# Altium PCB Cueing-PCB-Mk2.PcbDoc (continued)
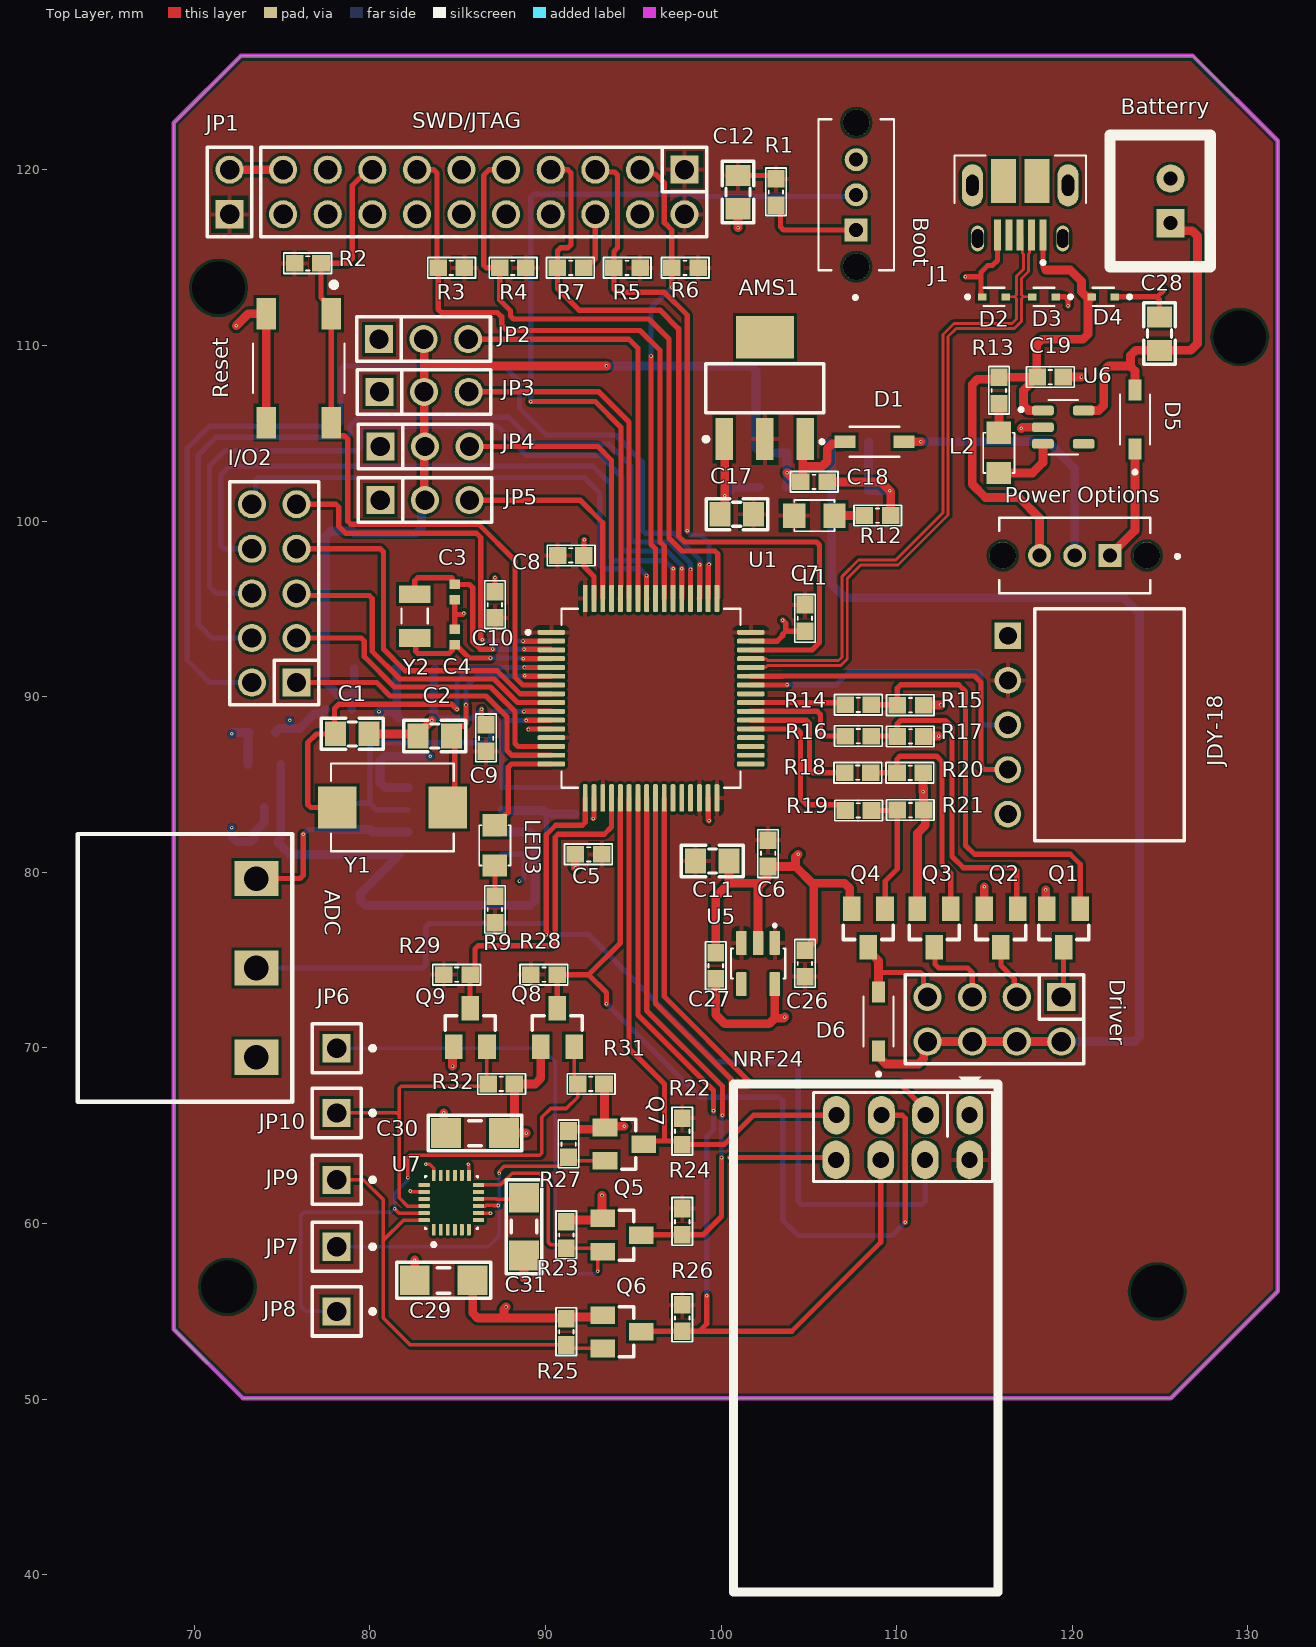
[diagram p0: Top Layer view]
## Footprints (in the part's own frame and the unit in brackets; to place one, negate y for a bottom-side part, rotate by r counter-clockwise, add the part's x,y. Pads: shape width x height; smd on the part's side, far side on the other; paste and mask are expansions set on the pad) (continued)
  rrect50% 0.28x1.56 smd: 17(-3.75,-5.68) 18(-3.25,-5.68) 19(-2.75,-5.68) 20(-2.25,-5.68) 21(-1.75,-5.68) 22(-1.25,-5.68) 23(-0.75,-5.68) 24(-0.25,-5.68) 25(0.25,-5.68) 26(0.75,-5.68) 27(1.25,-5.68) 28(1.75,-5.68) 29(2.25,-5.68) 30(2.75,-5.68) 31(3.25,-5.68) 32(3.75,-5.68) 49(3.75,5.68) 50(3.25,5.68) 51(2.75,5.68) 52(2.25,5.68) 53(1.75,5.68) 54(1.25,5.68) 55(0.75,5.68) 56(0.25,5.68) 57(-0.25,5.68) 58(-0.75,5.68) 59(-1.25,5.68) 60(-1.75,5.68) 61(-2.25,5.68) 62(-2.75,5.68) 63(-3.25,5.68) 64(-3.75,5.68)
  silkscreen extent -7.1,-5.1 5.1,5.1
SOD3715X145N [mm]
  rect 1.21x0.73 smd: A(1.68,0) C(-1.68,0)
  silkscreen extent -3.1,-0.85 1.43,0.85, body extent -1.83,-0.77 1.83,0.77, height 0.8
SOIC127P599X175-8N [mm]
  rrect25% 1.58x0.6 smd: 1(-2.67,1.905) 2(-2.67,0.635) 3(-2.67,-0.635) 4(-2.67,-1.905) 5(2.67,-1.905) 6(2.67,-0.635) 7(2.67,0.635) 8(2.67,1.905)
  silkscreen extent -4.35,-2.52 1.99,2.6, body extent -3,-2.45 3,2.45, height 1.75
SOT23 [mm]
  rect 1x1.4 smd: 1(-0.95,-1.1) 2(0.95,-1.1) 3(0,1.1)
  silkscreen extent -1.42,-0.15 1.42,0.66, body extent -1.18,-1.46 1.18,1.46, height 1.25
SOT95P275X110-5N [mm]
  rrect50% 1.24x0.55 smd: 1(-1.16,0.95) 2(-1.16,0) 3(-1.16,-0.95) 4(1.16,-0.95) 5(1.16,0.95)
  silkscreen extent -2.5,-1.55 0.83,1.55
SOT95P280X100-5N [mil]
  rect 48x20 smd: 1(-48,37) 2(-48,0) 3(-48,-37) 4(48,-37) 5(48,37)
  silkscreen extent -16,-57 34,57, body extent -55,-57 55,57, height 39
SOT95P285X145-5N [mm]
  rrect15% 1.37x0.59 smd: 1(-1.175,0.95) 2(-1.175,0) 3(-1.175,-0.95) 4(1.175,-0.95) 5(1.175,0.95)
  silkscreen extent -2.23,-1.55 0.85,1.55, body extent -1.4,-1.5 1.4,1.5, height 1.4
SOT223 [mm]
  rect 1x2.4 smd: 1(-2.3,-2.9) 2(0,-2.9) 3(2.3,-2.9)
  rect 3.3x2.4 smd: 4(0,2.9)
  silkscreen extent -3.47,-3.02 3.35,1.4, body extent -3.25,-3.56 3.25,3.4, height 1.68
SW_OS102011MS2QN1 [mm]
  rect 1.308x1.308 hole 0.8: 1(-2,0)
  round 1.308 hole 0.8: 2(0,0) 3(2,0)
  round 1.5 hole 1.5 unplated: ""(-4.1,0) ""(4.1,0)
  silkscreen extent -5.95,-2.15 4.3,2.15, body extent -4.3,-2.15 4.3,2.15, height 4.4
SW_SKQGAFE010 [mm]
  rect 1.8x1.1 smd: 1(-3.1,1.85) 2(3.1,1.85) 3(-3.1,-1.85) 4(3.1,-1.85)
  silkscreen extent -4.9,-2.6 1.4,2.6
"tro smd 0603" [mm] "Chip Capacitor, 2-Leads, Body 1,60x0,80mm, IPC Medium Density"
  rect 1x0.95 smd mask+0.076: 1(-0.75,0) 2(0.75,0)
  silkscreen extent -1.35,-0.58 1.37,0.58, body extent -0.82,-0.42 0.82,0.43, height 0.44
"tu 0603" [mm] "Chip Capacitor, 2-Leads, Body 1,60x0,80mm, IPC Medium Density"
  rect 1x0.95 smd mask+0.076: 1(-0.75,0) 2(0.75,0)
  silkscreen extent -1.35,-0.58 1.37,0.58, body extent -0.8,-0.4 0.8,0.4, height 0.9
"tu 0805" [mm] "Compoment SMD 80x50mil"
  rect 1.2x1.4 smd: 1(-0.946,-0.003) 2(0.954,-0.003)
  silkscreen extent -1.75,-0.89 1.75,0.89, body extent -1.01,-0.64 1.01,0.63, height 0.61
"tu 1206" [mm]
  rect 1.7x1.7 smd: 1(-1.65,0) 2(1.65,0)
  silkscreen extent -2.67,-1.02 2.67,1.02, body extent -1.57,-0.8 1.63,0.8, height 0.94
TVS_LESD5D5.0CT1G [mm]
  rect 0.48x0.4 smd: 1(-0.66,0) 2(0.66,0)
  silkscreen extent -1.6,-0.52 0.6,0.52, body extent -0.8,-0.4 0.8,0.4, height 0.7
XH2.54M-2 [mm]
  rect 1.6x1.6 hole 0.8: 1(0,0)
  round 1.6 hole 0.8: 2(2.54,0)
  silkscreen extent -2.48,-2.26 5.02,3.46, body extent -2.48,-2.26 5.02,3.48, height 6.91
XTAL_CM7V-T1A-32.768KHZ-12.5PF-100PPM-TB-QC [mm]
  rect 1x1.8 smd: 1(-1.25,0) 2(1.25,0)
  silkscreen extent -0.43,-0.75 0.43,0.75, body extent -1.6,-0.75 1.6,0.75, height 0.65
XTAL_ECS-80-20-20A-TR [mm]
  rect 2.2x2.4 smd: 1(-3.15,0) 2(3.15,0)
  silkscreen extent -3.5,-2.5 3.5,2.5, body extent -3.5,-2.5 3.5,2.5, height 1.7

## Part data
ADC: "Cắm", Chung_Loai=Cắm, Don_Vi=Con, Ma_Hang=MH000760, Ten_Linh_Kien="CON 3 2EDG5.08-3P 5.08MM ( Xanh Cong)"
AMS1 AMS2 AMS3: library part "AMS1117 SMD", "Dán", Chung_Loai=Dán, Don_Vi=Con, Ma_Hang=MH000596
Batterry: library part "Header 2P 2.54 Duc Thang", "Cắm", Chung_Loai=Cắm, Don_Vi=Con, Ma_Hang=MH001283, Ten_Linh_Kien="Header 2P XH2.54-2P Đực Thẳng"
Boot "Power Options": "Switch Slide ON ON SPDT Top Slide 0.1A 12VDC 10000Cycles PC Pins Thru-Hole Bulk", Package=None, Availability=Unavailable, MF="{'manufacturer': u'C&K'}", MP=OS102011MS2QN1, Price=None
C1 C2: library part "Tu 0805 20pF 50V 10%", "Dán", Chung_Loai=Dán, Don_Vi=Con, Ma_Hang=MH004558, So_Chan=2, Ten_Linh_Kien="Tụ 0805 20P 10% 50V"
C3 C4: "0402 12 pF 50 V Â±5% Tolerance C0G SMT Multilayer Ceramic Capacitor", Package=None, Availability=Unavailable, MF="{'manufacturer': u'Murata'}", MP=GRM1555C1H120JA01D, Price=None
C5 C6 C7 C8 C9 C10: library part "Tu 0603 103 50V 10%", "Dán", Chung_Loai=Dán, Don_Vi=Con, Ma_Hang=MH004567, So_Chan=2, Ten_Linh_Kien="Tụ 0603 103-10nF 10% 50V"
C11 C12: library part "Tu 0805 225 25V 10%", "Dán", Chung_Loai=Dán, Don_Vi=Con, Ma_Hang=MH007483, So_Chan=2, Ten_Linh_Kien="Tụ 0805 225-2.2uF 25V 10%"
C13 C15: library part "Tu 0603 470pF 50V 10%", "Dán", Chung_Loai=Dán, Don_Vi=Con, Ma_Hang=MH004571, So_Chan=2, Ten_Linh_Kien="Tụ 0603 470P 50V 10%"
C17 C22 C24: library part "Tu 0805 224 50V 10%", "Dán", Chung_Loai=Dán, Don_Vi=Con, Ma_Hang=MH004559, So_Chan=2, Ten_Linh_Kien="Tụ 0805 224-0.22uF 10% 50V"
C18 C19 C23 C25: library part "Tu 0603 106 16V 20%", "Dán", Chung_Loai=Dán, Don_Vi=Con, Ma_Hang=MH004848, So_Chan=2, Ten_Linh_Kien="Tụ 0603-10uF 20% 16V"
C20 C21 C26 C27: library part "Tu 0603 105 16V 20%", "Dán", Chung_Loai=Dán, Don_Vi=Con, Ma_Hang=MH004574, So_Chan=2, Ten_Linh_Kien="Tụ 0603 105-1uF 20% 16V"
C28: library part "Tu 0805 10pF 50V 10%", "Dán", Chung_Loai=Dán, Don_Vi=Con, Ma_Hang=MH004554, So_Chan=2, Ten_Linh_Kien="Tụ 0805 10P 10% 50V"
C29 C30 C31: library part "Tu 1206 104 50V 20%", "Dán", Chung_Loai=Dán, Don_Vi=Con, Ma_Hang=MH004544, So_Chan=2, Ten_Linh_Kien="Tụ 1206 104-0.1uF 20% 50V"
D1 D5 D6: "1N5819HW Series 40 V 1 A Surface Mount Schottky Barrier Rectifier - SOD-123", Package=None, Availability=Unavailable, MF="{'manufacturer': u'Diodes Inc.'}", MP=1N5819HW-7-F, Price=None
D2 D3 D4 U2 U6 Y2: Package=None, Availability=Unavailable, Price=None
  D2 D3 D4: MF="{'manufacturer': u'Leshan Radio Co.'}", MP=LESD5D5.0CT1G
  U2: MF="{'manufacturer': u'Texas Instruments'}", MP=OPA2335AID
  U6: MF="{'manufacturer': u'Analog Devices'}", MP=MAX1555EZK+
  Y2: MF="{'manufacturer': u'Micro Crystal'}", MP=CM7V-T1A-32.768KHZ-12.5PF-100PPM-TB-QC
Driver: library part "JP 2x4 2.54 Duc Thang", "Cắm", Chung_Loai=Cắm, Don_Vi=Con, Ma_Hang=MH002686, Ten_Linh_Kien="Jump Đôi Đực 2.54MM 2x40P Thẳng 11MM"
I/O2: library part "JP 2x5 2.54 Duc Thang", "Cắm", Chung_Loai=Cắm, Don_Vi=Con, Ma_Hang=MH002686, Ten_Linh_Kien="Jump Đôi Đực 2.54MM 2x40P Thẳng 11MM"
J1: "USB - micro B USB 2.0 Receptacle Connector 5 Position Surface Mount, Right Angle; Through Hole", Package=None, Availability=Unavailable, MF="{'manufacturer': u'FCI Connectors'}", MP=10103594-0001LF, Price=None
JDY-18: library part "JP 1x5 2.54 Cai Cong", "Cắm", Chung_Loai=Cắm, Don_Vi=Con, Ma_Hang=MH001265, Ten_Linh_Kien="Jump Đơn Cái 2.54MM 1x40P Cong"
JP1: library part "JP 1x2 2.54 Duc Thang", "Cắm", Chung_Loai=Cắm, Don_Vi=Con, Ma_Hang=MH000903, Ten_Linh_Kien="Jump Đơn Đực 2.54MM 1x40P Thẳng 11MM"
JP2 JP3 JP4 JP5: library part "JP 1x3 2.54 Duc Thang", "Cắm", Chung_Loai=Cắm, Don_Vi=Con, Ma_Hang=MH000903, Ten_Linh_Kien="Jump Đơn Đực 2.54MM 1x40P Thẳng 11MM"
JP6 JP7 JP8 JP9 JP10: library part "JP 1x1 2.54 Duc Thang", "Cắm", Chung_Loai=Cắm, Don_Vi=Con, Ma_Hang=MH000903, Ten_Linh_Kien="Jump Đơn Đực 2.54MM 1x40P Thẳng 11MM"
L1: library part "LED 0805 Xanh La", "Dán", Chung_Loai=Dán, Don_Vi=Con, Ma_Hang=MH002326, Ten_Linh_Kien="LED 0805 Màu Xanh Lá (Green)"
L2: library part "LED 0805 Do", "Dán", Chung_Loai=Dán, Don_Vi=Con, Ma_Hang=MH000897, Ten_Linh_Kien="LED 0805 Màu Đỏ (Red)"
LED3: library part "LED 0805 Vang", "Dán", Chung_Loai=Dán, Don_Vi=Con, Ma_Hang=MH002329, Ten_Linh_Kien="LED 0805 Màu Vàng ( Yellow)"
Q1 Q2 Q3 Q4 Q5 Q6 Q7 Q8 Q9: "<b>N-Channel MOSFET</b>    <a href=\"https://pricing.snapeda.com/parts/SI2312/Micro%20Commercial%20Components/view-part?ref=eda\">Check availability</a> <a href=\"https://pricing.snapeda.com/parts/SI2312/Micro%20Commercial%20Components/view-part?ref=eda\">Check availability</a>", Package=None, Availability=Unavailable, MF="{'manufacturer': u'Micro Commercial Components'}", MP=SI2312-TP, Price=None
R1 R2 R3 R4 R5 R6 R7 R15 R17 R20 R21: library part "Tro 0603 1% 10k", "Dán", Chung_Loai=Dán, Don_Vi=Con, Ma_Hang=MH006333, So_Chan=2, Ten_Linh_Kien="Trở 0603 1% 10k"
R8 R10: library part "Tro 0603 1% 3.9k", "Dán", Chung_Loai=Dán, Don_Vi=Con, Ma_Hang=MH005793, So_Chan=2, Ten_Linh_Kien="Trở 0603 1% 3.9k"
R9 R13 R14 R16 R18 R19: library part "Tro 0603 1% 1k", "Dán", Chung_Loai=Dán, Don_Vi=Con, Ma_Hang=MH006334, So_Chan=2, Ten_Linh_Kien="Trở 0603 1% 1k"
R12: library part "Tro 0603 5% 1k", "Dán", Chung_Loai=Dán, Don_Vi=Con, Ma_Hang=MH006319, So_Chan=2, Ten_Linh_Kien="Trở 0603 5% 1k"
R22 R23 R24 R25 R26 R27 R28 R29 R31 R32: library part "Tro 0603 5% 2.2k", "Dán", Chung_Loai=Dán, Don_Vi=Con, Ma_Hang=MH006321, So_Chan=2, Ten_Linh_Kien="Trở 0603 5% 2.2k"
Reset: "Switch Tactile N.O. SPST Button Gull Wing 0.05A 12VDC 0.98N SMD T/R", Package=None, Availability=Unavailable, MF="{'manufacturer': u'ALPS'}", MP=SKQGAFE010, Price=None
SWD/JTAG: library part "JP 2x10 2.54 Duc Thang", "Cắm", Chung_Loai=Cắm, Don_Vi=Con, Ma_Hang=MH002686, Ten_Linh_Kien="Jump Đôi Đực 2.54MM 2x40P Thẳng 11MM"
U1: "MCU 32-Bit STM32 ARM Cortex M4 RISC 512KB Flash 2.5V/3.3V 64-Pin LQFP Tray", Package=None, Availability=Unavailable, MF="{'manufacturer': u'STMicroelectronics'}", MP=STM32F446RET6, Price=None
U4: "Micropower, 400mV Reference with Rail-to-Rail Buffer Amplifier", Package=None, Availability=Unavailable, MF="{'manufacturer': u'Analog Devices'}", MP=LT6650IS5#TRPBF, Price=None
U5: "LDO Regulator Pos 1.8V 0.3A 5-Pin SOT-25 T/R", Package=None, Availability=Unavailable, MF="{'manufacturer': u'Diodes Inc.'}", MP=AP7331-18WG-7, Price=None
U7: "Accelerometer, Gyroscope, Magnetometer, 9 Axis Sensor IÂ²C, SPI Output", Package=None, Availability=Unavailable, MF="{'manufacturer': u'TDK InvenSense'}", MP=ICM-20948, Price=None
Y1: "SMD CRYSTAL", Package=None, Availability=Unavailable, MF="{'manufacturer': u'ECS Inc.'}", MP=ECS-80-20-20A-TR, Price=None

## Free pads (board coordinates)
  round 1.524 hole 3: 6(124.841,56.134) 7(129.54,110.49) 9(71.882,56.388) 10(71.374,113.284)

## Via types
v1: diameter 0.2, hole 0.1, Top Layer to Bottom Layer, 85 vias

## Nets (pads, with @x,y where several pads share a name; then routed paths per layer and width w, separated by ;. In a path a pad name is that pad's centre, name@x,y a point inside that pad or via, vN(x,y) a via of type N, cw(c..) or ccw(c..) an arc to the next point about the centre after c; other vN are vias at no path point)
0.4V: C21.1 U2.3 U2.5 U4.1 U4.5 | length 31.1
  Bottom Layer w0.5: U4.5 U4.1 74.921,83.695 74.921,81.941 C21.1 74.748,81.743 74.973,81.518 74.973,81.493 75.455,81.011 81.661,81.011 79.462,78.812 79.462,78.398 79.755,78.105 89.115,78.105 89.408,78.398 89.408,82.003 89.115,82.296 U2.3
+1.8V: C27.1 C29.1 C30.1 Q5.1 Q6.1 Q7.1 Q8.1 Q9.1 R23.2 R25.2 R27.2 R31.2 R32.2 U5.5 U7.8 U7.13 | length 38.1
  Top Layer w0.2: v1(85.598,63.373) 85.636,63.335 U7.13 ; U7.8 86.195,60.579 v1(86.868,60.579)
  Top Layer w0.5: v1(84.709,68.961) 84.709,70.005 Q9.1 ; C29.1 85.852,54.903 86.145,54.61 87.63,54.61 ; v1(87.757,55.245) 87.63,55.118 87.63,54.61 ; v1(88.9,65.151) C30.1 88.229,65.751 88.229,66.716 88.233,66.72 R32.2 89.408,67.945 89.728,68.265 Q8.1 ; R23.2 91.283,60.19 93.16,60.19 Q5.1 93.472,60.502 93.218,60.756 v1(93.218,61.595) ; R27.2 91.413,65.366 93.288,65.366 Q7.1 ; Q6.1 93.159,54.68 91.284,54.68 R25.2 91.154,54.61 87.63,54.61 ; R31.2 93.361,67.917 93.361,65.493 Q7.1 ; v1(94.488,65.532) 93.454,65.532 Q7.1 ; C27.1 99.695,71.882 100.203,71.374 102.743,71.374 103.058,71.689 ; U5.5 103.058,71.689 ; v1(103.632,71.755) 103.566,71.689 103.058,71.689
+3.3V_STM32: AMS1.2 C5.1 C6.1 C7.1 C8.1 C9.1 C10.1 C11.1 C12.1 C17.1 C26.1 JDY-18.2 JP1.1 L1.1 NRF24.2 R1.2 R2.2 R3.2 R4.2 R5.2 R6.2 R9.2 R22.2 R24.2 R26.2 R28.2 R29.2 SWD/JTAG.1 SWD/JTAG.20 U1.1 U1.13 U1.19 U1.30 U1.32 U1.48 U1.64 U5.1 U5.3 | length 2.2
  Top Layer w0.3: C12.1 102.928,119.691 R1.2
+5V: AMS1.3 AMS2.3 AMS3.3 C18.1 C23.1 C25.1 D1.C JP2.2 JP3.2 JP4.2 JP5.2 | length 63.1
  Top Layer w0.5: JP2.2 83.096,110.325 83.096,108.839 ; JP5.2 83.096,101.232 83.096,108.839 ; v1(93.472,108.839) 83.096,108.839 ; v1(103.759,102.753) 104.052,102.46 104.32,102.46 C18.1 104.648,102.338 104.648,103.124 ; AMS1.3 104.648,104.528 104.648,103.124 ; D1.C 106.946,104.406 106.338,104.406 106.045,104.113 106.045,103.417 105.752,103.124 104.648,103.124
  Bottom Layer w0.5: C23.1 78.97,89.903 ; 79.107,89.903 79.107,90.058 ; AMS2.3 79.107,90.058 ; JP5.2 82.931,100.991 82.931,99.607 82.638,99.314 79.121,99.314 78.994,99.441 77.763,99.441 77.47,99.148 77.47,90.836 78.247,90.058 79.107,90.058 ; v1(93.472,108.839) 101.688,108.839 101.981,108.546 101.981,104.179 102.274,103.886 AMS3.3@103.589,103.886 ; C25.1 103.77,101.998 v1@103.77,102.743 ; 103.758,102.87 AMS3.3@103.758,103.505 ; AMS3.3@103.77,103.505 AMS3.3@103.77,103.886
+AVCC: AMS2.2 C20.1 C22.1 U2.8 U4.4 | length 13
  Bottom Layer w0.5: v1(72.136,87.884) 72.212,87.96 C20.1 73.049,87.901 73.049,86.141 U4.4 ; v1(80.518,89.154) 81.28,89.154 C22.1@81.534,88.9 ; AMS2.2 81.534,91.461 C22.1@81.534,88.9 ; U2.8 80.863,84.836 80.57,85.129 80.57,86.321 80.863,86.614 v1(83.439,86.614) ; C22.1@81.534,88.9 C22.1 C22.1@81.534,88.9
+V_Bat: "Power Options.1" D5.C | length 6.7
  Top Layer w0.5: 122.142,98.044 123.571,99.473 D5.C
+V_Driver: AMS3.2 C24.1 D6.C Driver.5 Driver.6 Driver.7 Driver.8 | length 67.1
  Top Layer w0.5: D6.C 109.081,69.706 109.081,69.381 109.374,69.088 111.247,69.088 111.545,69.385 111.545,70.143 Driver.5 Driver.6 Driver.7 Driver.8
  Bottom Layer w0.5: AMS3.2 106.293,104.368 106.293,101.885 C24.1 106.299,101.582 106.299,96.393 107.061,95.631 122.936,95.631 123.825,94.742 123.825,70.651 123.532,70.358 Driver.8
+V_USB: "Power Options.3" C19.1 D4.2 J1.1 R13.2 U6.1 | length 32.3
  Top Layer w0.3: J1.1 118.336,114.455 118.491,114.3
  Top Layer w0.5: C19.1@117.982,108.216 C19.1@117.964,108.198 ; C19.1@117.983,108.216 117.983,110.07 118.276,110.363 120.611,110.363 120.904,110.656 120.904,112.578 D4.2 120.816,112.776 120.523,113.069 120.523,113.665 119.888,114.3 118.491,114.3 ; 118.142,98.044 118.142,100.171 116.967,101.346 115.062,101.346 114.3,102.108 114.3,107.784 114.599,108.083 115.715,108.083 R13.2 115.83,108.198 C19.1@117.964,108.198 ; U6.1 117.514,106.299 117.221,106.592 117.221,107.455 C19.1@117.964,108.198
Boot: Boot.2 U1.60 | length 45.9
  Top Layer w0.3: v1(89.154,106.807) 92.837,106.807 94.302,105.342 94.302,96.317 94.272,96.287 94.272,95.606 U1.60
  Bottom Layer w0.3: v1(89.154,106.807) 89.154,118.442 89.33,118.618 98.344,118.618 98.471,118.491 107.601,118.491 Boot.2
GND: ADC.1 AMS1.1 AMS2.1 AMS3.1 Batterry.2 Boot.3 C1.2 C2.2 C3.1 C4.1 C5.2 C6.2 C7.2 C8.2 C9.2 C10.2 C11.2 C12.2 C17.2 C18.2 C19.2 C20.2 C21.2 C22.2 C23.2 C24.2 C25.2 C26.2 C27.2 C28.2 C29.2 C30.2 C31.2 D2.1 D3.1 D4.1 J1.5 JDY-18.1 JP2.1 JP3.1 JP4.1 JP5.1 NRF24.1 pad.6 pad.7 pad.9 pad.10 Q1.2 Q2.2 Q3.2 Q4.2 R7.1 R12.2 R15.1 R17.1 R20.1 R21.1 Reset.3 Reset.4 SWD/JTAG.11 SWD/JTAG.12 SWD/JTAG.13 SWD/JTAG.14 SWD/JTAG.15 SWD/JTAG.16 SWD/JTAG.17 SWD/JTAG.18 SWD/JTAG.19 U1.12 U1.18 U1.31 U1.47 U1.63 U2.4 U4.2 U5.2 U6.2 U7.18 U7.20 | length 120.1
  Top Layer w0.2: v1(82.296,61.849) 82.352,61.793 U7.20 ; v1(83.185,63.373) 83.402,63.373 83.626,63.149 83.626,62.748 U7.18
  Top Layer w0.3: C4.1 84.836,94.684 ; C3.1 84.836,94.684 ; v1(85.344,94.742) 85.286,94.684 84.836,94.684 ; v1(86.36,89.281) 86.36,88.646 C9.2 ; C10.2 v1(87.122,96.774) ; v1(89.027,88.138) 89.055,88.166 U1.12 ; R7.1 92.504,114.752 92.661,114.752 92.837,114.928 SWD/JTAG.18 ; v1(92.202,98.933) 92.19,98.921 C8.2 92.19,97.421 92.762,96.849 U1.63 ; v1(92.722,83.058) 92.762,83.098 U1.18 ; U1.31 99.262,82.983 v1(99.314,82.931) ; U1.47 103.199,93.166 103.505,93.472 103.505,93.55 103.681,93.726 ; v1(103.505,94.361) 103.681,94.185 103.681,93.726 ; C7.2 103.681,93.726 ; v1(113.919,113.919) 114.808,113.919 ; D2.1 114.858,112.776 114.808,112.826 114.808,113.919 ; J1.5 115.736,114.847 115.443,114.554 115.189,114.554 114.808,114.173 114.808,113.919 ; D3.1 119.585,112.776 119.761,112.6 v1(119.761,112.268) ; D4.1 124.792,112.776 ; C28.2 124.968,112.6 124.792,112.776 ; v1(125.222,113.157) 124.841,112.776 124.792,112.776
  Top Layer w0.5: v1(72.39,111.125) 73.077,111.812 Reset.3 Reset.4 ; C1.2 82.618,87.881 C2.2 82.739,87.86 v1(83.524,88.646) ; v1(82.55,57.912) 82.55,56.771 C29.2 ; v1(84.201,66.294) 84.201,65.279 C30.2 ; v1(88.773,56.896) C31.2 ; v1(91.694,80.264) 91.694,81.014 C5.2 ; C27.2 99.695,78.623 100.452,79.38 ; C17.2 100.203,100.655 v1(100.203,101.448) 100.203,104.655 AMS1.1 ; C11.2 100.452,79.38 ; C12.2 100.962,116.716 v1(100.965,116.713) ; U5.2 102.108,79.16 102.323,79.375 ; v1(104.394,81.026) 104.235,80.867 104.235,80.332 ; C26.2 104.775,75.578 105.283,76.086 105.283,79.375 ; C18.2 109.093,102.235 v1(109.601,101.727) 109.662,101.666 R12.2 ; Q4.2 107.322,78.049 107.322,79.082 107.029,79.375 105.192,79.375 104.235,80.332 ; Q3.2 111.183,82.227 111.633,82.677 111.633,83.448 R21.1 111.536,84.806 111.506,84.777 v1(111.506,84.582) 111.506,85.653 R20.1 ; R17.1 111.558,87.757 v1(112.395,87.757) ; R15.1 112.508,89.521 v1(112.522,89.535) ; Q2.2 v1(114.986,79.172) ; v1(117.094,105.283) 117.16,105.349 U6.2 ; v1(118.491,78.994) 118.491,78.001 Q1.2 ; C19.2 v1(120.523,108.204) ; 100.452,79.38 100.457,79.375 102.323,79.375 ; 102.323,79.375 102.616,79.668 102.616,80.273 C6.2 104.235,80.332
  Bottom Layer w0.3: C22.2 85.852,88.773 v1(86.36,89.281) ; U2.4 88.773,81.026 88.773,79.678 88.597,79.502 v1(88.519,79.502)
  Bottom Layer w0.5: v1(72.136,82.55) 72.136,82.036 72.429,81.743 C21.2 73.406,81.926 73.406,82.257 73.981,82.832 73.981,83.695 U4.2 ; C20.2 C20.2@74.676,88.028 ; v1(75.438,88.646) 75.438,88.185 ; C23.2 77.245,89.056 76.864,89.056 75.993,88.185 75.438,88.185 ; C22.2 83.634,88.846 83.634,91.515 AMS2.1 ; v1(100.203,101.448) 100.684,101.929 C25.2 ; AMS3.1 108.393,104.477 108.393,101.776 C24.2 109.597,101.731 v1(109.601,101.727) ; C20.2@74.676,88.028 74.823,88.175 75.428,88.175 75.438,88.185 ; C20.2@74.676,88.028 74.833,88.185 75.438,88.185
IMU_CS: Q9.3 R29.1 U1.20 | length 19.3
  Top Layer w0.3: Q9.3 85.705,72.275 R29.1 85.979,74.442 85.979,75.643 86.155,75.819 90.375,75.819 90.551,75.995 90.551,81.993 90.727,82.169 93.345,82.169 93.762,82.586 U1.20
IMU_INT: Q5.3 R24.1 U1.24 | length 30.6
  Top Layer w0.3: Q5.3 95.472,59.353 R24.1 98.975,59.353 100.028,60.406 v1(100.028,63.754) ; U1.24 95.762,72.132 100.076,67.818 v1(100.076,66.167)
  Bottom Layer w0.3: v1(100.028,63.754) 100.028,66.119 v1(100.076,66.167)
IMU_MISO: JP7.1 Q7.2 R27.1 U7.9 | length 20.9
  Top Layer w0.2: U7.9 86.563,60.993 86.605,61.035 87.048,61.035 87.06,61.023 v1(87.312,61.023) ; v1(87.36,62.85) 87.36,62.976 87.63,63.246 90.793,63.246 90.913,63.366 90.938,63.366 91.313,63.741 R27.1 91.513,63.566 Q7.2
  Bottom Layer w0.2: JP7.1 86.741,58.674 87.355,59.288 87.355,60.981 v1(87.312,61.023) 87.376,61.087 87.376,62.833 v1(87.36,62.85)
IMU_MOSI: JP9.1 Q6.2 R25.1 U7.24 | length 25.9
  Top Layer w0.2: JP9.1 79.629,62.484 80.772,61.341 80.772,59.055 ; U7.24 81.91,60.193 80.772,59.055 ; Q6.2 91.384,52.88 R25.1 82.302,53.08 80.772,54.61 80.772,59.055
IMU_SCK: JP8.1 Q8.2 R31.1 U7.23 | length 33.1
  Top Layer w0.2: v1(81.407,60.833) 81.647,60.593 U7.23 ; v1(82.169,62.611) 82.169,63.764 82.286,63.881 89.672,63.881 89.789,63.998 89.789,66.04 90.297,66.548 91.186,66.548 91.833,67.195 R31.1 91.628,68.15 Q8.2
  Bottom Layer w0.2: JP8.1 76.327,54.991 76.073,55.245 76.073,60.462 76.259,60.647 81.221,60.647 v1(81.407,60.833) 81.407,61.722 82.169,62.484 v1(82.169,62.611)
INPUT_1: ADC.3 C15.2 R10.1 U2.6 | length 11.2
  Top Layer w0.3: ADC.3 76.024,79.642 76.2,79.817 v1(76.2,82.169)
  Bottom Layer w0.3: v1(76.2,82.169) 76.466,82.435 R10.1
  Bottom Layer w0.5: R10.1 C15.2 80.149,82.296 U2.6
INPUT_2: ADC.2 C13.2 R8.1 U2.2 | length 29.3
  Bottom Layer w0.3: ADC.2 83.009,74.549 83.185,74.725 83.185,76.913 83.361,77.089 89.882,77.089 90.058,77.265 C13.2
  Bottom Layer w0.5: U2.2 87.556,83.516 89.891,83.516 C13.2 90.07,83.337 91.681,83.337 R8.1
LED1: Driver.1 Q1.3 | length 2.9
  Top Layer w0.3: Driver.1 119.507,73.025 Q1.3
LED2: Driver.2 Q2.3 | length 3.2
  Top Layer w0.3: Q2.3 115.936,74.691 116.698,73.929 116.698,73.04 Driver.2
LED3: Driver.3 Q3.3 | length 4.7
  Top Layer w0.3: Q3.3 112.183,75.684 112.183,74.761 112.395,74.549 114.046,74.549 114.3,74.295 Driver.3
NetBatterry_1: Batterry.1 C28.1 D5.A U6.5 | length 19
  Top Layer w0.5: U6.5 121.5,106.299 121.793,106.592 121.793,108.546 122.086,108.839 123.278,108.839 ; D5.A 123.571,108.546 123.278,108.839 ; Batterry.1 126.033,116.537 126.834,116.537 127.127,116.245 127.127,110.109 126.746,109.728 C28.1 123.61,109.728 123.317,109.435 123.317,108.878 123.278,108.839
NetBoot_1: Boot.1 R1.1 | length 5.7
  Top Layer w0.3: R1.1 103.378,117.741 103.378,116.762 103.554,116.586 Boot.1
NetC31_1: C31.1 U7.10 | length 2.6
  Top Layer w0.2: U7.10 86.184,61.395 87.197,61.395 87.199,61.393 88.699,61.393 C31.1
NetD1_A: "Power Options.2" D1.A | length 15.3
  Top Layer w0.5: D1.A v1(111.379,104.521)
  Bottom Layer w0.5: v1(111.379,104.521) 118.618,104.521 120.142,102.997 120.142,98.044
NetJP1_2: JP1.2 SWD/JTAG.10 | length 3
  Top Layer w0.5: JP1.2 SWD/JTAG.10
NetL1_2: L1.2 R12.1 | length 1.7
  Top Layer w0.5: L1.2 R12.1
NetL2_1: L2.1 R13.1 | length 1.7
  Top Layer w0.5: L2.1 R13.1
NetL2_2: L2.2 U6.3 | length 3.8
  Top Layer w0.5: L2.2 117.729,102.743 118.33,103.344 U6.3
NetLED3_1: LED3.1 R9.1 | length 1.8
  Top Layer w0.3: R9.1 LED3.1
NetLED3_2: LED3.2 U1.16 | length 6.2
  Top Layer w0.3: LED3.2 87.185,82.677 87.671,83.162 87.671,83.226 87.884,83.439 87.884,85.99 88.06,86.166 U1.16
NetQ1_1: Q1.1 R14.2 R15.2 | length 24.8
  Top Layer w0.3: R14.2 110.024,89.535 R15.2 110.037,90.502 110.213,90.678 113.538,90.678 113.919,90.297 113.919,81.534 114.427,81.026 119.888,81.026 120.457,80.457 Q1.1
NetQ2_1: Q2.1 R16.2 R17.2 | length 19.1
  Top Layer w0.3: R16.2 110.016,87.757 R17.2 110.037,88.47 110.213,88.646 112.776,88.646 113.157,88.265 113.157,80.899 113.792,80.264 116.664,80.264 116.84,80.088 116.84,77.981 Q2.1
NetQ3_1: Q3.1 R18.2 R20.2 | length 13.6
  Top Layer w0.3: R18.2 109.904,85.674 109.957,85.728 R20.2 110.019,86.438 110.195,86.614 112.268,86.614 112.394,86.488 112.585,86.297 112.585,80.455 113.083,79.957 Q3.1
NetQ4_1: Q4.1 R19.2 R21.2 | length 7.4
  Top Layer w0.3: R19.2 110.011,83.52 R21.2 110.036,80.191 109.347,79.502 109.347,77.946 Q4.1
NRF24_CE: NRF24.3 U1.26 | length 29.2
  Top Layer w0.3: U1.26 96.762,72.926 101.743,67.945 110.198,67.945 111.646,66.497 NRF24.3
NRF24_CSN: NRF24.4 U1.17 | length 44.5
  Top Layer w0.3: v1(90.043,76.454) 90.043,82.136 90.584,82.677 92.086,82.677 92.262,82.853 U1.17
  Bottom Layer w0.3: v1(90.043,76.454) 92.456,76.454 99.695,69.215 104.218,69.215 104.394,69.039 104.394,61.263 104.57,61.087 111.445,61.087 111.62,61.263 NRF24.4
NRF24_INT: NRF24.8 U1.25 | length 28.4
  Top Layer w0.3: U1.25 96.262,72.521 100.584,68.199 v1(100.584,66.167) ; v1(100.488,63.754) 106.413,63.754 NRF24.8
  Bottom Layer w0.3: v1(100.488,63.754) 100.584,63.85 v1(100.584,66.167)
NRST: R2.1 Reset.1 Reset.2 SWD/JTAG.8 U1.7 | length 42.4
  Top Layer w0.3: SWD/JTAG.8 79.893,120.015 78.994,119.116 78.994,114.935 78.74,114.681 R2.1 77.216,112.742 77.796,112.162 Reset.1 77.796,105.269 78.196,104.869 78.539,104.869 78.74,104.668 78.74,99.998 78.916,99.822 86.2,99.822 88.265,97.757 88.265,91.106 88.705,90.666 U1.7
OSC32_IN: C3.2 U1.3 Y2.1 | length 12.1
  Top Layer w0.3: Y2.1 82.55,96.598 82.726,96.774 84.66,96.774 84.686,96.748 C3.2@84.686,96.516 ; C3.2 85.676,96.396 85.852,96.22 85.852,93.139 86.281,92.71 v1(86.995,92.71) ; v1(88.777,92.706) 90.292,92.706 U1.3
  Bottom Layer w0.3: v1(86.995,92.71) 88.773,92.71 v1(88.777,92.706)
OSC32_OUT: C4.2 U1.4 Y2.2 | length 9.2
  Top Layer w0.3: Y2.2 82.611,93.284 82.611,92.571 82.726,92.456 84.51,92.456 84.686,92.632 84.686,92.852 84.806,92.972 84.866,92.972 85.636,92.202 v1(86.868,92.202) ; v1(88.737,92.166) U1.4
  Bottom Layer w0.3: v1(86.868,92.202) 88.701,92.202 v1(88.737,92.166)
OSC_IN: C1.1 U1.5 Y1.1 | length 23
  Top Layer w0.3: Y1.1 76.63,83.693 76.454,83.869 76.454,87.376 76.959,87.881 C1.1 77.978,87.951 77.978,89.322 78.22,89.564 84.68,89.564 v1(84.963,89.281) ; v1(88.801,91.666) U1.5
  Bottom Layer w0.3: v1(84.963,89.281) 84.963,90.879 85.75,91.666 v1(88.801,91.666)
OSC_OUT: C2.1 U1.6 Y1.2 | length 12.7
  Top Layer w0.3: Y1.2 84.836,84.099 84.836,87.563 C2.1 84.639,87.86 85.089,88.31 85.295,88.31 85.471,88.486 v1(85.471,89.535) ; v1(88.824,91.197) 88.855,91.166 U1.6
  Bottom Layer w0.3: v1(85.471,89.535) 85.471,90.551 86.106,91.186 88.813,91.186 v1(88.824,91.197)
PA0: I/O2.2 U1.14 | length 18.7
  Top Layer w0.3: I/O2.2 79.501,93.345 79.677,93.169 79.677,92.281 81.407,90.551 86.868,90.551 88.265,89.154 88.265,87.342 88.441,87.166 U1.14
PA1: I/O2.1 U1.15 | length 17.3
  Top Layer w0.3: I/O2.1 80.391,90.805 81.153,90.043 86.614,90.043 87.805,88.852 87.805,86.947 88.09,86.662 90.328,86.662 U1.15
PB5: I/O2.6 U1.57 | length 29.8
  Top Layer w0.3: v1(95.758,96.901) 95.758,95.6 U1.57
  Bottom Layer w0.3: I/O2.6 73.48,101.166 73.48,102.313 73.655,102.489 92.202,102.489 93.091,101.6 93.091,97.458 93.267,97.282 95.377,97.282 v1(95.758,96.901)
PB6: JP2.3 U1.58 | length 24.1
  Top Layer w0.3: JP2.3 94.742,110.363 95.262,109.843 U1.58
PB7: JP3.3 U1.59 | length 19.9
  Top Layer w0.3: JP3.3 93.043,107.363 94.762,105.644 U1.59
PB8: JP4.3 U1.61 | length 16.3
  Top Layer w0.3: JP4.3 92.981,104.25 93.762,103.469 U1.61
PB9: JP5.3 U1.62 | length 12.4
  Top Layer w0.3: JP5.3 91.973,101.194 93.262,99.905 U1.62
PC0: I/O2.4 U1.8 | length 21.2
  Top Layer w0.3: I/O2.4 80.596,98.425 80.772,98.249 80.772,92.71 82.011,91.471 87.249,91.471 88.554,90.166 U1.8
PC1: I/O2.3 U1.9 | length 18.8
  Top Layer w0.3: I/O2.3 75.946,95.758 79.961,95.758 80.137,95.582 80.137,92.583 81.709,91.011 87.059,91.011 88.404,89.666 U1.9
PC2: C15.1 R10.2 U1.10 U2.7 | length 19.8
  Top Layer w0.3: v1(88.773,89.154) 88.785,89.166 U1.10
  Bottom Layer w0.3: R10.2 C15.1 ; U2.7 80.354,83.566 80.01,83.91 C15.1 ; v1(88.773,89.154) 87.044,89.154 86.868,88.978 86.868,87.552 86.692,87.376 80.186,87.376 80.01,87.2 C15.1
PC3: C13.1 R8.2 U1.11 U2.1 | length 10.7
  Top Layer w0.3: v1(88.9,88.646) 88.92,88.666 U1.11
  Bottom Layer w0.3: v1(88.9,88.646) 87.682,88.646 87.506,88.47 U2.1 91.682,84.836 R8.2
PC6: R19.1 U1.37 | length 9.5
  Top Layer w0.3: U1.37 104.317,88.166 104.521,87.962 104.521,84.201 104.776,83.946 104.877,83.845 106.74,83.845 R19.1
PC7: R18.1 U1.38 | length 8.1
  Top Layer w0.3: U1.38 104.853,88.666 105.029,88.49 105.029,85.85 105.205,85.674 R18.1
PC8: R16.1 U1.39 | length 6.6
  Top Layer w0.3: U1.39 105.476,89.166 105.664,88.978 105.664,87.933 105.84,87.757 R16.1
PC9: R14.1 U1.40 | length 5.4
  Top Layer w0.3: U1.40 104.446,89.666 104.45,89.662 106.934,89.662 R14.1
PC10: I/O2.10 U1.51 | length 59.2
  Top Layer w0.3: U1.51 98.784,95.618 v1(98.784,97.514)
  Bottom Layer w0.3: I/O2.10 70.866,90.805 69.596,92.075 69.596,104.14 70.866,105.41 78.183,105.41 78.359,105.586 78.359,108.663 78.535,108.839 87.63,108.839 88.519,107.95 88.519,106.426 90.043,104.902 93.98,104.902 95.504,103.378 95.504,99.49 95.68,99.314 97.282,99.314 98.784,97.812 v1(98.784,97.514)
PC11: I/O2.9 U1.52 | length 50.1
  Top Layer w0.3: U1.52 v1(98.262,97.246)
  Bottom Layer w0.3: I/O2.9 70.993,93.345 70.231,94.107 70.231,103.759 71.247,104.775 78.691,104.775 78.867,104.951 78.867,105.41 79.375,105.918 87.884,105.918 89.408,104.394 93.599,104.394 94.869,103.124 94.869,98.982 95.045,98.806 97.059,98.806 98.262,97.603 v1(98.262,97.246)
PC12: I/O2.8 U1.53 | length 45.4
  Top Layer w0.3: U1.53 v1(97.762,97.282)
  Bottom Layer w0.3: I/O2.8 71.247,95.885 70.866,96.266 70.866,103.124 71.755,104.013 79.308,104.013 79.484,104.189 79.484,105.179 79.502,105.197 79.502,105.234 79.678,105.41 87.249,105.41 88.9,103.759 93.091,103.759 94.361,102.489 94.361,98.474 94.537,98.298 96.917,98.298 97.762,97.453 v1(97.762,97.282)
PC13: I/O2.5 U1.2 | length 21.7
  Top Layer w0.3: I/O2.5 78.056,100.965 78.232,100.789 78.232,99.695 78.613,99.314 86.057,99.314 86.312,99.059 86.312,93.33 v1(86.392,93.25) ; v1(88.725,93.17) 88.729,93.166 U1.2
  Bottom Layer w0.3: v1(86.392,93.25) 86.472,93.17 v1(88.725,93.17)
PD2: I/O2.7 U1.54 | length 38.4
  Top Layer w0.3: U1.54 97.262,97.262 v1(97.282,97.282)
  Bottom Layer w0.3: I/O2.7 71.677,98.425 71.501,98.601 71.501,102.616 72.007,103.122 92.712,103.122 93.726,102.108 93.726,97.918 93.902,97.742 96.822,97.742 v1(97.282,97.282)
S_IMU_CS: JP10.1 Q9.2 R32.1 U7.22 | length 18.8
  Top Layer w0.2: JP10.1 81.534,66.294 81.661,66.167 ; U7.22 82.136,60.993 81.661,61.468 81.661,66.167 ; Q9.2 86.667,68.01 R32.1 86.606,67.818 81.778,67.818 81.661,67.701 81.661,66.167
S_IMU_INT: JP6.1 Q5.2 R23.1 U7.12 | length 39.7
  Top Layer w0.2: U7.12 87.431,62.193 88.103,62.865 89.662,62.865 90.17,62.357 90.17,58.918 90.287,58.801 90.974,58.801 R23.1 93.057,58.591 Q5.2 92.964,58.094 v1(92.964,57.277)
  Bottom Layer w0.2: JP6.1 89.789,69.977 90.551,69.215 90.551,57.267 90.668,57.15 92.837,57.15 v1(92.964,57.277)
SPI_MISO: NRF24.7 Q7.3 R22.1 U1.22 | length 32.2
  Top Layer w0.3: U1.22 94.762,69.957 96.774,67.945 96.774,64.692 ; Q7.3 95.764,64.692 96.774,64.692 ; NRF24.7 101.854,66.167 100.181,64.494 R22.1 97.59,64.692 96.774,64.692
SPI_MOSI: NRF24.6 Q6.3 R26.1 U1.23 | length 52.9
  Top Layer w0.3: U1.23 95.262,71.87 99.568,67.564 v1(99.568,66.421) ; Q6.3 95.491,53.862 R26.1 98.757,53.862 ; v1(99.187,55.88) 99.187,54.292 98.757,53.862 ; NRF24.6 109.093,58.928 104.027,53.862 98.757,53.862
  Bottom Layer w0.3: v1(99.187,55.88) 99.187,64.953 99.568,65.334 v1(99.568,66.421)
SPI_SCK: NRF24.5 Q8.3 R28.1 U1.21 | length 50.7
  Top Layer w0.3: Q8.3 90.666,72.275 R28.1 92.456,74.168 ; v1(93.472,72.517) 93.472,73.152 92.456,74.168 ; U1.21 94.262,75.974 92.456,74.168 ; NRF24.5 110.314,66.167 110.49,65.991 v1(110.49,60.071)
  Bottom Layer w0.3: v1(93.472,72.517) 98.806,67.183 103.329,67.183 103.505,67.007 103.505,60.198 104.394,59.309 109.728,59.309 v1(110.49,60.071)
TCK: R4.1 SWD/JTAG.5 U1.49 | length 37.1
  Top Layer w0.3: SWD/JTAG.5 86.79,120.015 86.487,119.712 86.487,114.554 86.614,114.427 R4.1 87.388,112.607 88.011,111.984 88.011,111.682 88.187,111.506 95.885,111.506 97.028,110.363 97.028,99.044 97.774,98.298 99.638,98.298 99.814,98.122 99.814,95.648 U1.49
TDI: R5.1 SWD/JTAG.3 U1.50 | length 29.8
  Top Layer w0.3: SWD/JTAG.3 92.964,119.888 93.931,119.888 94.107,119.712 94.107,115.57 93.895,115.358 R5.1 93.895,113.206 94.071,113.03 96.774,113.03 98.075,111.729 v1(98.075,99.455) ; U1.50 99.262,97.484 v1(99.314,97.536)
  Bottom Layer w0.3: v1(98.075,99.455) 98.075,99.41 98.298,99.187 98.884,99.187 99.187,98.884 99.314,98.757 v1(99.314,97.536)
TDO: R3.1 SWD/JTAG.7 U1.55 | length 37.1
  Top Layer w0.3: SWD/JTAG.7 83.644,120.015 83.827,119.832 83.827,116.355 83.82,116.348 83.82,114.492 R3.1 83.885,112.063 84.061,111.887 87.249,111.887 87.503,111.633 87.503,111.174 87.814,110.863 95.385,110.863 96.52,109.728 96.52,98.822 96.762,98.58 U1.55
TMS: R7.2 SWD/JTAG.4 U1.46 | length 45.9
  Top Layer w0.3: SWD/JTAG.4 91.264,120.015 91.447,119.832 91.447,115.746 91.271,115.57 90.854,115.57 90.678,115.394 R7.2 R7.2 90.679,113.24 91.905,112.014 96.52,112.014 97.584,110.95 97.584,99.139 97.917,98.806 105.424,98.806 105.6,98.63 105.6,93.081 105.185,92.666 U1.46
TRST: R6.1 SWD/JTAG.2 U1.56 | length 26.1
  Top Layer w0.2: U1.56 U1.56@96.266,95.6
  Top Layer w0.3: SWD/JTAG.2 95.626,119.766 96.261,119.766 96.392,119.635 96.767,119.26 96.767,116.999 97.196,116.569 R6.1 97.196,113.502 97.191,113.497 v1(97.191,113.32) ; v1(96.012,109.399) 96.012,98.679 96.266,98.425 96.266,97.282 U1.56@96.266,95.6
  Bottom Layer w0.3: v1(96.012,109.399) 96.012,112.141 v1(97.191,113.32)
UART_Rx: JDY-18.4 U1.43 | length 19.7
  Top Layer w0.3: U1.43 103.485,91.166 103.505,91.186 114.427,91.186 114.808,90.805 114.808,86.028 114.984,85.852 JDY-18.4
UART_Tx: JDY-18.3 U1.42 | length 17.8
  Top Layer w0.3: U1.42 103.747,90.666 v1(103.759,90.678)
  Bottom Layer w0.3: v1(103.759,90.678) 106.553,90.678 107.315,91.44 114.632,91.44 114.808,91.264 114.808,88.568 114.984,88.392 JDY-18.3
USB_N: D3.2 J1.2 U1.44 | length 38
  Top Layer w0.165: U1.44 101.716,91.69 102.57,91.69 102.651,91.77 106.816,91.77 107.188,92.142 107.188,96.736 107.95,97.498 110.071,97.498 112.927,100.354 112.927,110.507 113.381,110.96 116.688,110.96 117.113,111.385 117.113,112.679 117.21,112.776 ; J1.2 117.572,116.187 117.572,115.287 117.507,115.221 117.507,114.221 117.113,113.827 117.113,112.873 117.21,112.776 ; D3.2 117.21,112.776
USB_P: D2.2 J1.3 U1.45 | length 37.5
  Top Layer w0.165: U1.45 101.716,92.142 102.57,92.142 102.651,92.062 106.695,92.062 106.896,92.263 106.896,96.857 107.829,97.79 109.95,97.79 112.636,100.475 112.636,110.628 113.26,111.252 116.567,111.252 116.821,111.506 116.821,112.679 116.724,112.776 ; D2.2 116.724,112.776 ; J1.3 117.15,116.187 117.15,115.287 117.215,115.221 117.215,114.342 116.821,113.948 116.821,112.873 116.724,112.776
Vibrator: D6.A Driver.4 Q4.3 | length 6.8
  Top Layer w0.3: 108.966,74.246 109.015,74.295 111.35,74.295 111.526,74.119 111.526,73.132 Driver.4
  Top Layer w0.5: Q4.3 108.386,75.535 108.966,74.955 108.966,74.246 D6.A
pads on no net: "Power Options." AMS1.4 AMS2.4 AMS3.4 Boot. J1.4 J1.6 J1.7 J1.8 J1.9 J1.10 J1.11 J1.S1 J1.S2 JDY-18.5 SWD/JTAG.6 SWD/JTAG.9 U1.27 U1.28 U1.29 U1.33 U1.34 U1.35 U1.36 U1.41 U4.3 U5.4 U6.4 U7.1 U7.2 U7.3 U7.4 U7.5 U7.6 U7.7 U7.11 U7.14 U7.15 U7.16 U7.17 U7.19 U7.21

## Polygon pours and split planes (outlines as drawn)
+3.3V_STM32 on Top Layer "+3.3V_STM32_L01_P001" (solid, remove dead copper, pour order 0): 72.644,126.492 68.834,122.682 68.834,54.102 72.898,50.038 126.111,50.038 126.111,50.165 132.207,56.261 131.953,56.515 131.953,121.92 131.191,121.92 126.873,126.238
GND on Int1 (GND) "+3.3V_STM32_L01_P001" (solid, remove dead copper, pour order 2): 72.771,126.365 69.215,122.809 69.088,122.809 69.088,54.229 73.406,49.911 125.73,49.911 131.826,56.007 131.826,122.047 131.445,122.047 126.873,126.619
+1.8V on Int2 (PWR) "+3.3V_STM32_L01_P001" (solid, remove dead copper, pour order 3): 72.771,126.492 68.961,122.682 68.834,122.682 68.834,53.848 72.771,49.911 125.603,49.911 125.603,50.038 131.826,56.261 131.572,56.515 131.572,121.793 131.445,121.793 127,126.238
+AVCC on Bottom Layer "+3.3V_STM32_L01_P001" (solid, remove dead copper, pour order 5): 72.517,126.619 68.58,122.682 68.58,53.848 72.644,49.784 125.857,49.784 132.207,56.134 131.699,56.642 131.699,121.92 131.318,121.92 126.492,126.746

## Keep-outs
Keep-Out Layer:
  the board outline again, w0.254

## Text inside footprints (layer, text, board x,y; h text height)
J1: Mechanical 13 "PCB EDGE" at 112.536,120.626 h0.81 r180